# KiCad board ciaa_acc.kicad_pcb (continued)
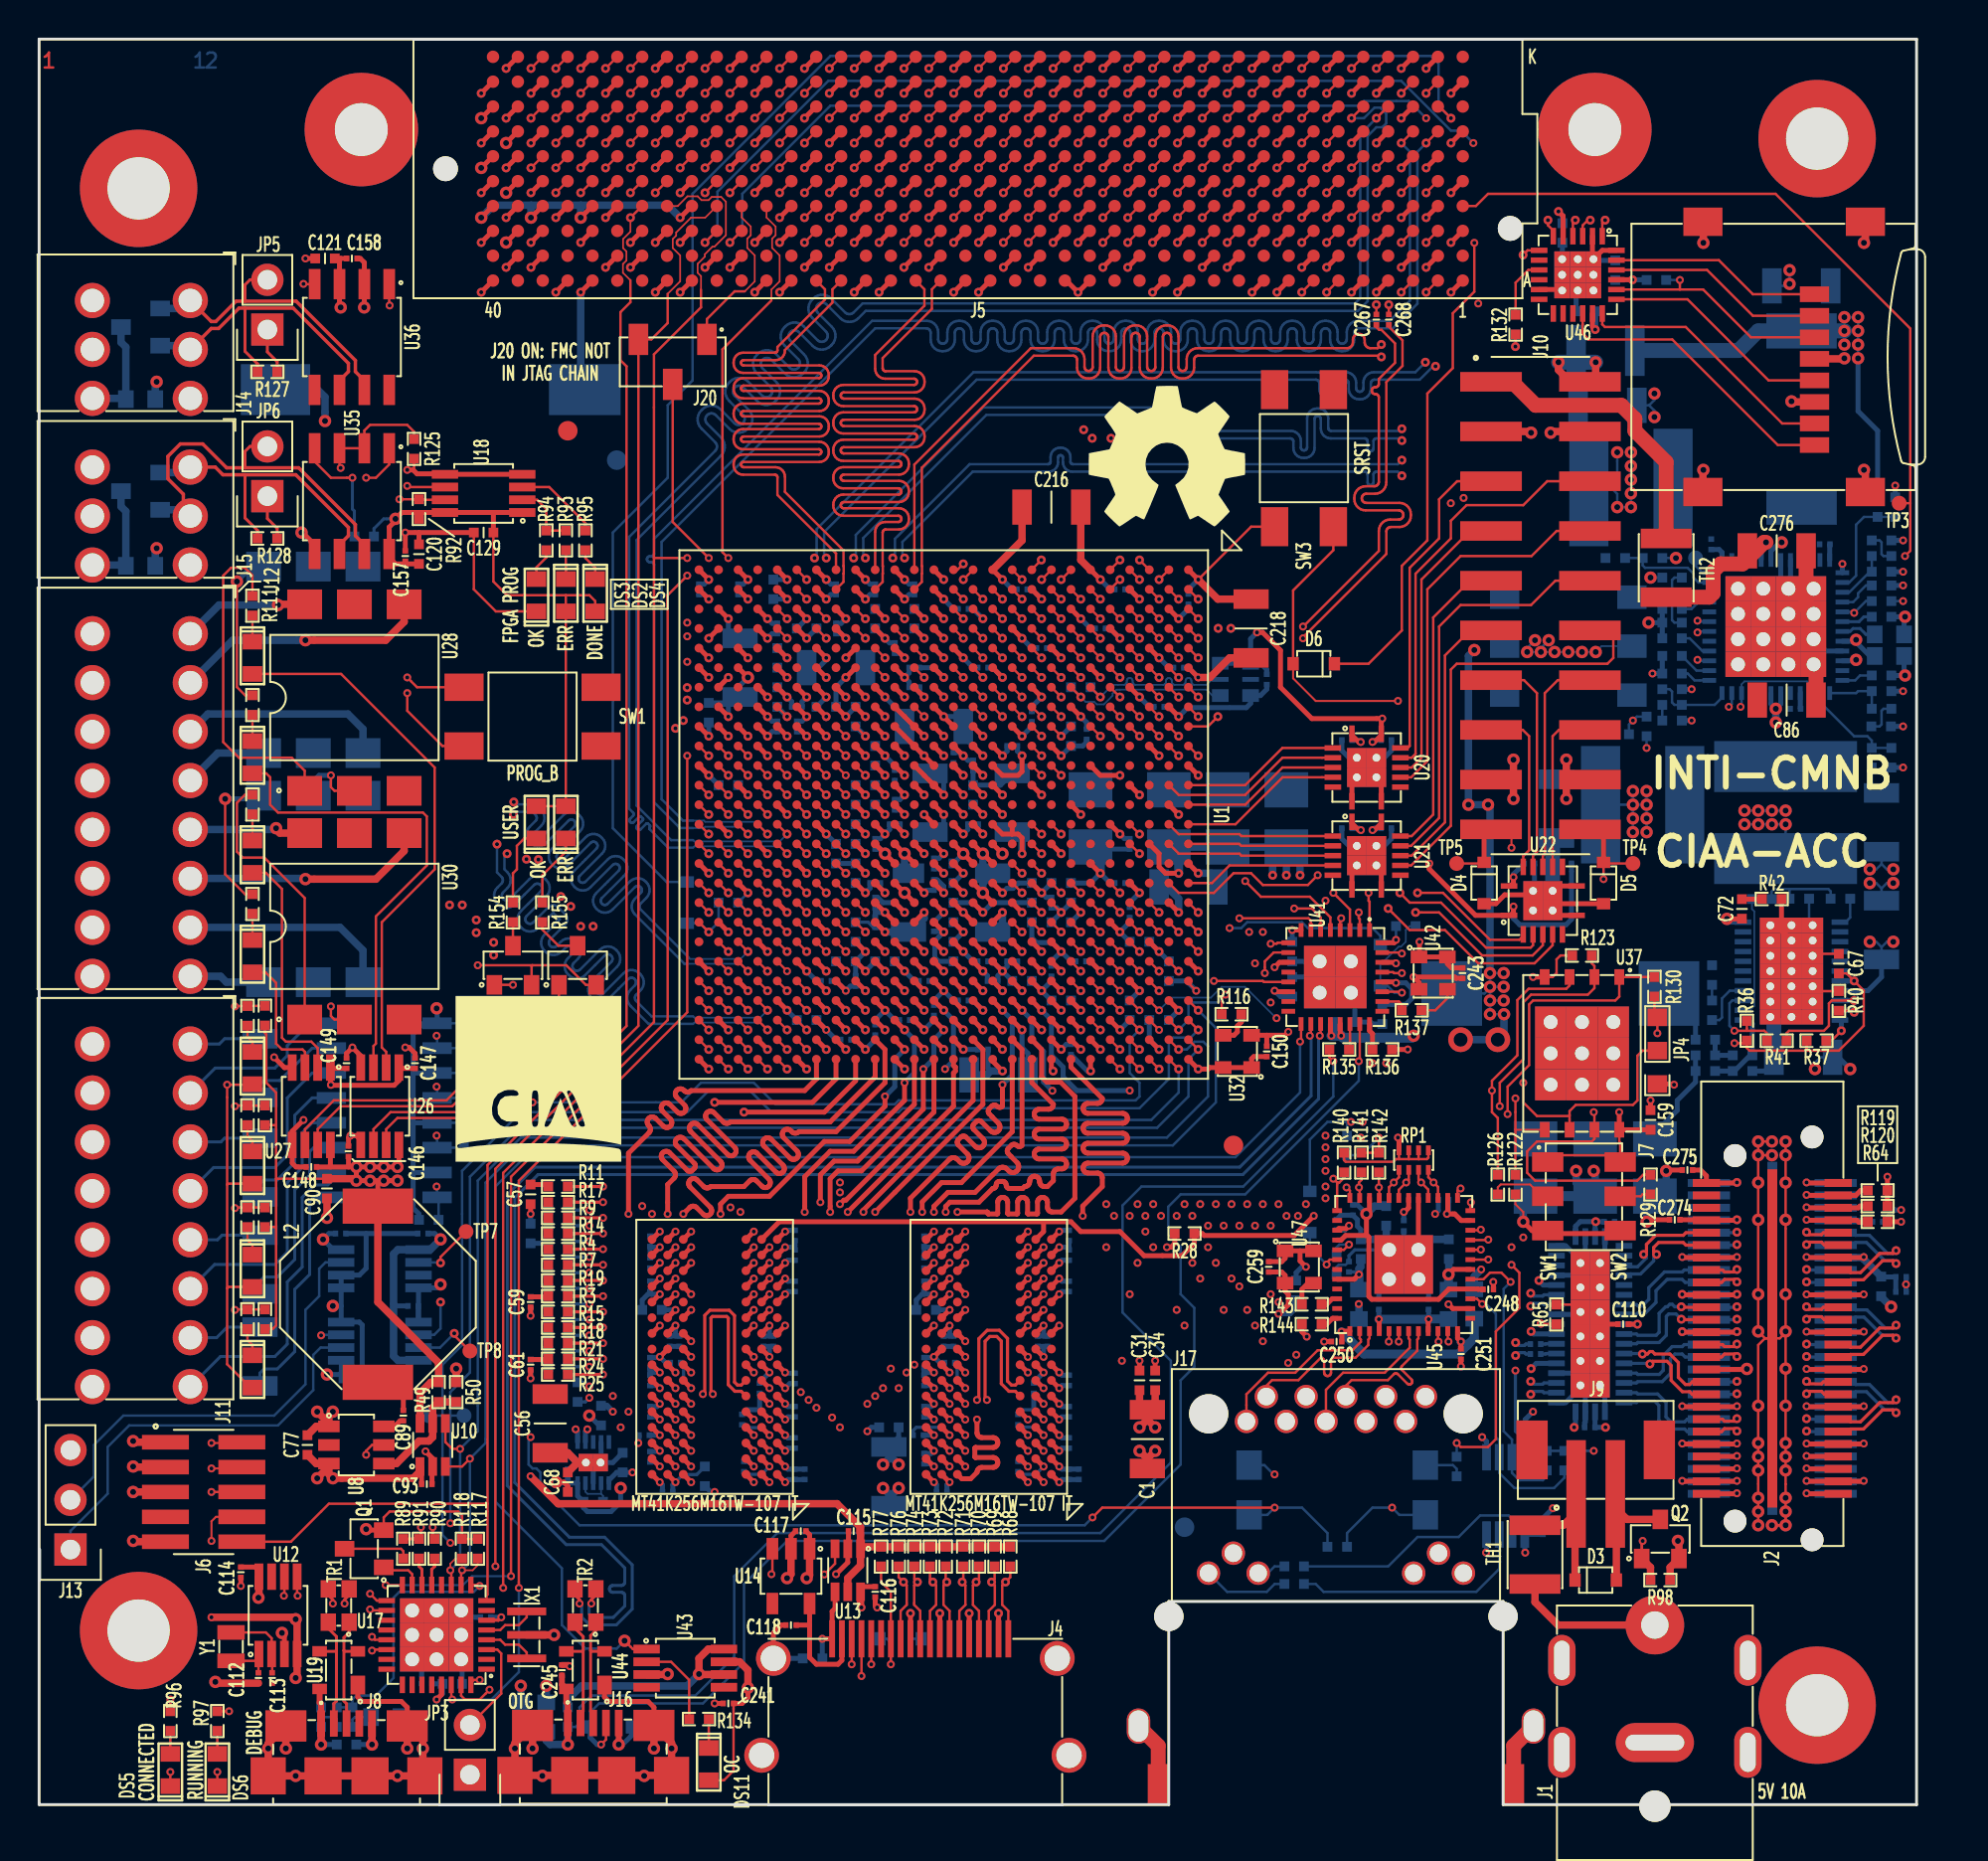
[diagram p0: board, top side]
## Routing (per net, layer and track width the routed paths; a pad name or vN(x,y) marks a point on that pad's centre or on a via; arc(x,y) is an arc through that point) (continued)
  TOP_L1.Sig w0.127: U46.7 76.03,79.38 v2(75.79,79.15) ; U1.D18 v2(56.2,45.57)
  L3.Sig w0.107: v2(56.2,45.57) 57.2,46.57 59.7,46.57 60.2,47.07 60.2,49.57 68.3,57.67 68.3,64.77 70.9,67.37 70.9,69.77 73.9,72.77 73.9,77.26 v2(75.79,79.15)
/Principal/BANK_501/SDIO_D2: length 53.1
  TOP_L1.Sig w0.127: U46.1 79.83,80.78 v2(79.98,80.93) ; U1.E18 v2(55.2,45.57)
  L3.Sig w0.107: v1(73.5,76.67) 73.5,72.77 70.6,69.87 70.6,67.57 68,64.97 68,57.77 59.9,49.67 59.9,47.27 59.7,47.07 55.9,47.07 55.7,46.87 55.7,46.07 v2(55.2,45.57)
  L5.Sig w0.107: v1(73.5,76.67) 79.8,76.67 79.98,76.85 v2(79.98,80.93)
/Principal/BANK_501/SDIO_D3: length 48.5
  TOP_L1.Sig w0.127: U1.C18 v2(57.2,45.57) ; v2(79.22,80.93) 79.1,80.93 78.83,80.66 U46.3
  L3.Sig w0.107: v2(57.2,45.57) 57.7,46.07 59.7,46.07 60.5,46.87 60.5,49.47 68.6,57.57 68.6,64.67 71.2,67.27 71.2,69.67 74.3,72.77 74.3,76.87 76.5,79.07 76.5,79.54 78.27,81.31 78.84,81.31 v2(79.22,80.93)
/Principal/BANK_501/SPI_CLK: length 22.9
  TOP_L1.Sig w0.127: v2(70.3,45.57) 71.5,45.57 73.7,43.37 76.28,43.37 76.8,43.89 U22.4 ; U1.B21 v2(58.2,42.57)
  L5.Sig w0.107: v2(70.3,45.57) 69.3,44.57 64.8,44.57 64,45.37 62.07,45.37 59.65,42.95 58.58,42.95 v2(58.2,42.57)
/Principal/BANK_501/SPI_CS: length 22
  TOP_L1.Sig w0.127: U1.A18 v2(59.2,45.57) ; U22.5 77.3,43.89 76.38,42.97 73.5,42.97 71.8,44.67 70,44.67 v2(68.9,45.77)
  L5.Sig w0.107: v2(68.9,45.77) 68.6,46.07 66.6,46.07 66.2,45.67 65.4,45.67 64.5,46.57 60.2,46.57 v2(59.2,45.57)
/Principal/BANK_501/SPI_MISO: length 21.3
  TOP_L1.Sig w0.127: U22.2 75.8,44.37 75.6,44.17 74.1,44.17 71.7,46.57 v2(70.4,46.57) ; U1.B19 v2(58.2,44.57)
  L5.Sig w0.107: v2(58.2,44.57) 58.7,45.07 60.5,45.07 61.56,46.13 64.34,46.13 65.56,44.91 68.74,44.91 v2(70.4,46.57)
/Principal/BANK_501/SPI_MOSI: length 24.5
  TOP_L1.Sig w0.127: v2(69.5,46.57) 70,46.07 71.6,46.07 73.9,43.77 76.18,43.77 76.3,43.89 U22.3 ; U1.E17 v2(55.2,46.57)
  L5.Sig w0.107: v2(69.5,46.57) 69.14,46.93 62.74,46.93 62,47.67 61.3,47.67 60.7,47.07 55.7,47.07 v2(55.2,46.57)
/Principal/BANK_501/USB_B_N: length 6.3
  TOP_L1.Sig w0.152: 27.78,7.87 27.74,7.83 U44.3 ; 27.78,7.87 27.78,8.59 27.37,9 TR2.4 ; 27.78,7.87 27.78,4.78 27.65,4.64 J16.2
/Principal/BANK_501/USB_B_P: length 6
  TOP_L1.Sig w0.152: 28.17,7.87 28.21,7.83 U44.2 ; 28.17,7.87 28.17,8.64 28.43,8.9 TR2.1 ; 28.17,7.87 28.17,4.78 28.3,4.64 J16.3
/Principal/BANK_501/USB_CLK: length 21.6
  TOP_L1.Sig w0.127: U41.1 67.95,46.12 67.9,46.17 v1(67.9,46.57) ; U1.K16 v2(50.2,47.57)
  L8.Sig w0.107: v2(50.2,47.57) 50.7,48.07 56.9,48.07 57.78,47.19 59.62,47.19 60.1,47.67 61.8,47.67 62.5,46.97 67.5,46.97 v1(67.9,46.57)
/Principal/BANK_501/USB_D0: length 19.2
  TOP_L1.Sig w0.127: U41.3 66.95,45.72 v1(66.1,46.57) ; U1.K17 v2(50.2,46.57)
  L8.Sig w0.107: v2(50.2,46.57) 50.6,46.97 56.5,46.97 56.9,46.57 v1(66.1,46.57)
/Principal/BANK_501/USB_D1: length 15.8
  TOP_L1.Sig w0.127: v1(66.5,45.27) 66.45,45.22 U41.4 ; U1.E22 v1(55.2,41.57)
  L8.Sig w0.107: v1(62.9,40.97) 60.3,40.97 60.1,41.17 59.6,41.17 ; 59.6,41.17 59.7,41.17 ; 59.6,41.17 55.6,41.17 v1(55.2,41.57)
  L10.Sig w0.107: v1(62.9,40.97) 63.19,40.97 63.7,41.48 63.7,43.27 64.8,44.37 65.6,44.37 v1(66.5,45.27)
/Principal/BANK_501/USB_D2: length 17.3
  TOP_L1.Sig w0.127: U41.5 65.95,45.32 64.9,46.37 62.4,46.37 v1(61.6,47.17) ; U1.J16 v2(51.2,47.57)
  L8.Sig w0.107: v2(51.2,47.57) 51.59,47.18 51.6,47.19 57.08,47.19 57.4,46.87 60.3,46.87 60.62,47.19 61.58,47.19 v1(61.6,47.17)
/Principal/BANK_501/USB_D3: length 11.6
  TOP_L1.Sig w0.127: U1.D19 v2(56.2,44.57) ; v1(64.1,45.77) 65,45.77 65.45,45.32 U41.6
  L8.Sig w0.107: v1(64.1,45.77) 62.4,45.77 60.82,44.19 56.58,44.19 v2(56.2,44.57)
/Principal/BANK_501/USB_D4: length 15.4
  TOP_L1.Sig w0.127: U41.7 64.95,45.15 64.83,45.27 v1(61.3,45.27) ; U1.J18 v2(51.2,45.57)
  L8.Sig w0.107: v2(51.2,45.57) 51.58,45.95 60.62,45.95 v1(61.3,45.27)
/Principal/BANK_501/USB_D5: length 8.5
  TOP_L1.Sig w0.127: v1(62.9,43.97) 63.2,43.97 63.25,44.02 U41.9 ; U1.D20 v2(56.2,43.57)
  L8.Sig w0.107: 62.88,43.95 56.58,43.95 v2(56.2,43.57)
  L8.Sig w0.127: 62.88,43.95 v1(62.9,43.97)
/Principal/BANK_501/USB_D6: length 9.8
  TOP_L1.Sig w0.127: U41.10 63.05,43.52 62.6,43.07 v1(62.6,42.47) ; U1.D21 v2(56.2,42.57)
  L8.Sig w0.107: v1(62.6,42.47) 61.9,41.77 60.4,41.77 60.3,41.67 59.5,41.67 59.21,41.96 56.81,41.96 v2(56.2,42.57)
/Principal/BANK_501/USB_D7: length 7.5
  TOP_L1.Sig w0.127: v1(60,42.07) 62.5,42.07 62.55,42.02 U41.13 ; U1.C21 v2(57.2,42.57)
  L8.Sig w0.107: v1(60,42.07) 59.9,42.17 57.6,42.17 v2(57.2,42.57)
/Principal/BANK_501/USB_DIR: length 16.9
  TOP_L1.Sig w0.127: U1.E20 v2(55.2,43.57) ; v1(69.6,43.47) 69.55,43.52 U41.31
  L8.Sig w0.107: v1(69.6,43.47) 68.65,43.47 68.1,44.02 64.45,44.02 64,43.57 59.98,43.57 59.6,43.19 55.58,43.19 v2(55.2,43.57)
/Principal/BANK_501/USB_ID: length 70.5
  TOP_L1.Sig w0.127: J16.4 28.95,3.32 v1(28.7,3.07) ; U41.23 67.45,38.02 v1(67.4,37.97)
  BOT_L12.Sig w0.127: D8.2 28.15,4.72 28.6,5.17 33.9,5.17 36,7.27 36,11.27 38.2,13.47 54.4,13.47 58.3,17.37 58.3,21.67 59,22.37 59,25.37 58.3,26.07 58.3,28.37 ; 58.3,28.37 58.3,28.47 57.67,29.1 57.67,30.54 58.3,31.17 61.6,31.17 67.4,36.97 v1(67.4,37.97) ; 58.3,28.37 58.3,28.17
  BOT_L12.Sig w0.254: D8.2 28.15,3.42 28.5,3.07 v1(28.7,3.07)
/Principal/BANK_501/USB_N: length 76.2
  TOP_L1.Sig w0.127: U41.19 65.45,39.31 v1(65.41,39.27)
  TOP_L1.Sig w0.152: v1(27.6,10.27) 27.6,10.47 27.37,10.7 TR2.3
  BOT_L12.Sig w0.152: v1(27.6,10.27) 27.71,10.16 27.71,9.58 28.11,9.18 29.48,9.18 30.29,9.99 30.29,12.25 28.88,13.66 27.08,13.66 24.29,16.45 24.29,30.99 25.48,32.18 61.48,32.18 65.34,36.05 65.34,39.21 v1(65.41,39.27)
/Principal/BANK_501/USB_NXT: length 15.3
  TOP_L1.Sig w0.127: U41.2 67.45,45.22 67.4,45.27 v1(67.4,45.57) ; U1.E21 v2(55.2,42.57)
  L8.Sig w0.107: v1(62.1,42.97) 59.61,42.97 59.6,42.98 ; 59.6,42.98 59.69,42.98 ; 59.6,42.98 55.61,42.98 v2(55.2,42.57)
  L10.Sig w0.107: v1(62.1,42.97) 62.5,43.37 63.3,43.37 65.6,45.67 67.3,45.67 v1(67.4,45.57)
/Principal/BANK_501/USB_P: length 76.2
  TOP_L1.Sig w0.127: v1(64.9,39.27) 64.95,39.32 U41.18
  TOP_L1.Sig w0.152: TR2.2 28.43,10.7 28.2,10.47 v1(28.2,10.27)
  BOT_L12.Sig w0.152: v1(64.9,39.27) 64.96,39.21 64.96,36.2 61.32,32.56 25.32,32.56 23.91,31.15 23.91,16.29 26.92,13.28 28.72,13.28 29.91,12.09 29.91,11.37 29.91,11.33 29.89,11.29 29.87,11.26 29.84,11.23 29.81,11.21 29.77,11.2 29.73,11.2 29.3,11.2 29.26,11.19 29.23,11.18 29.19,11.16 29.17,11.13 29.15,11.1 29.13,11.06 29.13,11.02 29.13,10.98 29.15,10.94 29.17,10.91 29.19,10.88 29.23,10.86 29.26,10.85 29.3,10.84 29.73,10.84 29.77,10.84 29.81,10.83 29.84,10.81 29.87,10.78 29.89,10.75 29.91,10.71 29.91,10.67 29.91,10.15 29.32,9.56 28.27,9.56 28.09,9.74 28.09,10.16 v1(28.2,10.27)
/Principal/BANK_501/USB_STP: length 25.1
  TOP_L1.Sig w0.127: U41.29 69.15,42.52 69.2,42.47 v1(69.6,42.47) ; U1.K19 v2(50.2,44.57)
  L8.Sig w0.107: v2(50.2,44.57) 50.7,45.07 50.7,45.77 51.1,46.17 v1(65.7,46.17)
  L10.Sig w0.107: v1(69.6,42.47) 69,42.47 68.6,42.87 68.6,45.27 67.7,46.17 v1(65.7,46.17)
/Principal/BANK_502/DDR_A0: length 79.6
  TOP_L1.Sig w0.165: R3.2 v1(28.8,25.97)
  TOP_L1.Sig w0.254: U3.N3 v1(36.5,26.87) ; U1.K22 v2(50.2,41.57) ; U2.N3 v1(50.5,26.87)
  L3.Sig w0.165: v1(50.5,26.87) 50.5,26.47 51.1,26.47 ; 36.5,26.47 51.1,26.47 ; 36.5,26.47 29.9,26.47 29.4,25.97 v1(28.8,25.97) ; 36.5,26.47 v1(36.5,26.87) ; 51.1,26.47 v1(61.3,26.47)
  L8.Sig w0.165: v2(50.2,41.57) 50.7,41.07 50.7,37.37 51.2,36.87 61.8,36.87 62.1,36.57 62.1,36.47 62.09,36.43 62.08,36.38 62.06,36.35 62.02,36.31 61.99,36.29 61.94,36.28 61.9,36.27 61.33,36.27 61.29,36.26 61.25,36.25 61.21,36.23 61.18,36.19 61.15,36.16 61.14,36.11 61.13,36.07 61.14,36.03 61.15,35.98 61.18,35.95 61.21,35.91 61.25,35.89 61.29,35.88 61.33,35.87 62.92,35.87 62.96,35.86 63,35.85 63.04,35.83 63.07,35.79 63.1,35.76 63.11,35.71 63.12,35.67 63.11,35.63 63.1,35.58 63.07,35.55 63.04,35.51 63,35.49 62.96,35.48 62.92,35.47 61.43,35.47 61.39,35.46 61.35,35.45 61.31,35.43 61.28,35.39 61.25,35.36 61.24,35.31 61.23,35.27 61.24,35.23 61.25,35.18 61.28,35.15 61.31,35.11 61.35,35.09 61.39,35.08 61.43,35.07 62.92,35.07 62.96,35.06 63,35.05 63.04,35.03 63.07,34.99 63.1,34.96 63.11,34.91 63.12,34.87 63.11,34.83 63.1,34.78 63.07,34.75 63.04,34.71 63,34.69 62.96,34.68 62.92,34.67 61.43,34.67 61.39,34.66 61.35,34.65 61.31,34.63 61.28,34.59 61.25,34.56 61.24,34.51 61.23,34.47 61.24,34.43 61.25,34.38 61.28,34.35 61.31,34.31 61.35,34.29 61.39,34.28 61.43,34.27 62.92,34.27 62.96,34.26 63,34.25 63.04,34.23 63.07,34.19 63.1,34.16 63.11,34.11 63.12,34.07 63.11,34.03 63.1,33.98 63.07,33.95 63.04,33.91 63,33.89 62.96,33.88 62.92,33.87 61.43,33.87 61.39,33.86 61.35,33.85 61.31,33.83 61.28,33.79 61.25,33.76 61.24,33.71 61.23,33.67 61.24,33.63 61.25,33.58 61.28,33.55 61.31,33.51 61.35,33.49 61.39,33.48 61.43,33.47 62.92,33.47 62.96,33.46 63,33.45 63.04,33.43 63.07,33.39 63.1,33.36 63.11,33.31 63.12,33.27 63.11,33.23 63.1,33.18 63.07,33.15 63.04,33.11 63,33.09 62.96,33.08 62.92,33.07 61.43,33.07 61.39,33.06 61.35,33.05 61.31,33.03 61.28,32.99 61.25,32.96 61.24,32.91 61.23,32.87 61.24,32.83 61.25,32.78 61.28,32.75 61.31,32.71 61.35,32.69 61.39,32.68 61.43,32.67 61.9,32.67 61.94,32.66 61.99,32.65 62.02,32.63 62.06,32.59 62.08,32.56 62.09,32.51 62.1,32.47 62.1,31.67 61.3,30.87 v1(61.3,29.57)
  L10.Sig w0.165: v1(61.3,29.57) v1(61.3,26.47)
/Principal/BANK_502/DDR_A1: length 76.3
  TOP_L1.Sig w0.165: R4.2 v1(28.8,28.37)
  TOP_L1.Sig w0.254: U3.P7 v1(33.3,27.67) ; U2.P7 v1(47.3,27.67) ; U1.K20 v2(50.2,43.57)
  L3.Sig w0.165: v1(28.8,28.37) 29.1,28.07 33.3,28.07 ; 47.9,28.07 47.3,28.07 v1(47.3,27.67) ; 47.9,28.07 56.5,28.07 v1(56.9,28.47) ; 47.9,28.07 33.3,28.07 ; 33.3,28.07 v1(33.3,27.67) ; v1(56.9,30.67) 56.9,31.47 57.5,32.07 59.1,32.07 59.3,32.27 59.3,33.6 59.3,33.61 59.29,33.63 59.28,33.64 59.27,33.65 59.26,33.66 59.24,33.67 59.21,33.67 59.19,33.68 59.18,33.69 59.17,33.7 59.16,33.71 59.15,33.73 59.15,33.74 59.15,34 59.15,34.01 59.16,34.03 59.17,34.04 59.18,34.05 59.19,34.06 59.21,34.07 59.23,34.07 60.2,34.07 60.24,34.08 60.29,34.09 60.32,34.11 60.35,34.15 60.38,34.18 60.39,34.23 60.4,34.27 60.39,34.31 60.38,34.36 60.35,34.39 60.32,34.43 60.29,34.45 60.24,34.46 60.2,34.47 59.3,34.47 59.1,34.47 59.06,34.48 59.01,34.49 58.98,34.51 58.94,34.55 58.92,34.58 58.91,34.63 58.9,34.67 58.91,34.72 58.92,34.76 58.94,34.8 58.98,34.83 59.01,34.85 59.06,34.87 59.15,34.88 59.19,34.89 59.22,34.91 59.26,34.95 59.28,34.98 59.3,35.03 59.3,35.07 59.1,35.27 58.5,35.27 58.46,35.26 58.41,35.25 58.38,35.23 58.34,35.19 58.32,35.16 58.31,35.11 58.3,35.07 58.3,34.37 58.29,34.33 58.28,34.28 58.26,34.25 58.22,34.22 58.19,34.19 58.14,34.18 58.1,34.17 58.06,34.18 58.01,34.19 57.98,34.22 57.94,34.25 57.92,34.28 57.91,34.33 57.9,34.37 57.9,35.57 57.89,35.61 57.88,35.66 57.86,35.69 57.82,35.72 57.79,35.75 57.74,35.76 57.7,35.77 57.66,35.76 57.61,35.75 57.58,35.72 57.54,35.69 57.52,35.66 57.51,35.61 57.5,35.57 57.5,34.37 57.49,34.33 57.48,34.28 57.46,34.25 57.42,34.22 57.39,34.19 57.34,34.18 57.3,34.17 57.26,34.18 57.21,34.19 57.18,34.22 57.14,34.25 57.12,34.28 57.11,34.33 57.1,34.37 57.1,35.57 57.09,35.61 57.08,35.66 57.06,35.69 57.02,35.72 56.99,35.75 56.94,35.76 56.9,35.77 56.86,35.76 56.81,35.75 56.78,35.72 56.74,35.69 56.72,35.66 56.71,35.61 56.7,35.57 56.7,34.92 56.69,34.88 56.68,34.83 56.66,34.8 56.62,34.77 56.59,34.74 56.54,34.73 56.5,34.72 56.46,34.73 56.41,34.74 56.38,34.77 56.34,34.8 56.32,34.83 56.31,34.88 56.3,34.92 56.3,35.57 56.29,35.61 56.28,35.66 56.26,35.69 56.22,35.72 56.19,35.75 56.14,35.76 56.1,35.77 56.06,35.76 56.01,35.75 55.98,35.72 55.94,35.69 55.92,35.66 55.91,35.61 55.9,35.57 55.9,34.97 55.89,34.93 55.88,34.88 55.86,34.85 55.82,34.82 55.79,34.79 55.74,34.78 55.7,34.77 55.66,34.78 55.61,34.79 55.58,34.82 55.54,34.85 55.52,34.88 55.51,34.93 55.5,34.97 55.5,35.57 55.49,35.61 55.48,35.66 55.46,35.69 55.42,35.72 55.39,35.75 55.34,35.76 55.3,35.77 55.26,35.76 55.21,35.75 55.18,35.72 55.14,35.69 55.12,35.66 55.11,35.61 55.1,35.57 55.1,35.47 55.09,35.43 55.08,35.38 55.06,35.35 55.02,35.31 54.99,35.29 54.94,35.28 54.9,35.27 54.86,35.28 54.81,35.29 54.78,35.31 54.74,35.35 54.72,35.38 54.71,35.43 54.7,35.47 54.7,35.57 54.69,35.61 54.68,35.66 54.66,35.69 54.62,35.72 54.59,35.75 54.54,35.76 54.5,35.77 54.46,35.76 54.41,35.75 54.38,35.72 54.34,35.69 54.32,35.66 54.31,35.61 54.3,35.57 54.3,35.47 54.29,35.43 54.28,35.38 54.26,35.35 54.22,35.31 54.19,35.29 54.14,35.28 54.1,35.27 54.06,35.28 54.01,35.29 53.98,35.31 53.94,35.35 53.92,35.38 53.91,35.43 53.9,35.47 53.9,35.57 53.89,35.61 53.88,35.66 53.86,35.69 53.82,35.72 53.79,35.75 53.74,35.76 53.7,35.77 53.66,35.76 53.61,35.75 53.58,35.72 53.54,35.69 53.52,35.66 53.51,35.61 53.5,35.57 53.5,35.47 53.49,35.43 53.48,35.38 53.46,35.35 53.42,35.31 53.39,35.29 53.34,35.28 53.3,35.27 53.26,35.28 53.21,35.29 53.18,35.31 53.14,35.35 53.12,35.38 53.11,35.43 53.1,35.47 53.1,35.57 53.09,35.61 53.08,35.66 53.06,35.69 53.02,35.72 52.99,35.75 52.94,35.76 52.9,35.77 52.86,35.76 52.81,35.75 52.78,35.72 52.74,35.69 52.72,35.66 52.71,35.61 52.7,35.57 52.7,35.47 52.69,35.43 52.68,35.38 52.66,35.35 52.62,35.31 52.59,35.29 52.54,35.28 52.5,35.27 52.46,35.28 52.41,35.29 52.38,35.31 52.34,35.35 52.32,35.38 52.31,35.43 52.3,35.47 52.3,35.57 52.29,35.61 52.28,35.66 52.26,35.69 52.22,35.72 52.19,35.75 52.14,35.76 52.1,35.77 52.06,35.76 52.01,35.75 51.98,35.72 51.94,35.69 51.92,35.66 51.91,35.61 51.9,35.57 51.9,35.47 51.89,35.43 51.88,35.38 51.86,35.35 51.82,35.31 51.79,35.29 51.74,35.28 51.7,35.27 51.66,35.28 51.61,35.29 51.58,35.31 51.54,35.35 51.52,35.38 51.51,35.43 51.5,35.47 51.5,35.57 51.49,35.61 51.48,35.66 51.46,35.69 51.42,35.72 51.39,35.75 51.34,35.76 51.3,35.77 51.26,35.76 51.21,35.75 51.18,35.72 51.14,35.69 51.12,35.66 51.11,35.61 51.1,35.57 51.1,35.47 51.09,35.43 51.08,35.38 51.06,35.35 51.02,35.31 50.99,35.29 50.94,35.28 50.9,35.27 50.86,35.28 50.81,35.29 50.78,35.31 50.74,35.35 50.72,35.38 50.71,35.43 50.7,35.47 50.7,35.97 50.69,36.01 50.68,36.06 50.66,36.09 50.62,36.12 50.59,36.15 50.54,36.16 50.5,36.17 50.46,36.16 50.41,36.15 50.38,36.12 50.34,36.09 50.32,36.06 50.31,36.01 50.3,35.97 50.3,35.47 50.29,35.43 50.28,35.38 50.26,35.35 50.22,35.31 50.19,35.29 50.14,35.28 50.1,35.27 49.7,35.67 49.7,43.07 v2(50.2,43.57)
  L10.Sig w0.165: v1(56.9,30.67) v1(56.9,28.47)
/Principal/BANK_502/DDR_A2: length 79.5
  TOP_L1.Sig w0.254: U3.P3 v1(36.5,27.67) ; U1.N21 v2(47.2,42.57) ; U2.P3 v1(50.5,27.67)
  L5.Sig w0.165: 50.9,28.07 50.5,28.07 v1(50.5,27.67) ; 50.9,28.07 36.5,28.07 ; 50.9,28.07 59.3,28.07 v1(59.7,28.47) ; v1(36.5,27.67) 36.5,28.07 ; 36.5,28.07 29.8,28.07 29.1,28.77 v1(28.1,28.77)
  L8.Sig w0.165: v1(59.7,29.57) 59.7,33.37 59.4,33.67 55.8,33.67 55.76,33.66 55.71,33.65 55.68,33.63 55.64,33.59 55.62,33.56 55.61,33.51 55.6,33.47 55.6,33.41 55.59,33.37 55.58,33.33 55.56,33.29 55.52,33.26 55.49,33.23 55.44,33.22 55.4,33.21 55.36,33.22 55.31,33.23 55.28,33.26 55.24,33.29 55.22,33.33 55.21,33.37 55.2,33.41 55.2,33.93 55.19,33.97 55.18,34.01 55.16,34.05 55.12,34.08 55.09,34.11 55.04,34.12 55,34.13 54.96,34.12 54.91,34.11 54.88,34.08 54.84,34.05 54.82,34.01 54.81,33.97 54.8,33.93 54.8,33.41 54.79,33.37 54.78,33.33 54.76,33.29 54.72,33.26 54.69,33.23 54.64,33.22 54.6,33.21 54.56,33.22 54.51,33.23 54.48,33.26 54.44,33.29 54.42,33.33 54.41,33.37 54.4,33.41 54.4,33.47 54.39,33.51 54.38,33.56 54.36,33.59 54.32,33.63 54.29,33.65 54.24,33.66 54.2,33.67 52.5,33.67 52.4,33.57 51.75,33.57 51.71,33.57 51.67,33.59 51.64,33.61 51.61,33.64 51.59,33.67 51.58,33.71 51.58,33.75 51.58,34 51.57,34.03 51.56,34.07 51.54,34.1 51.51,34.13 51.48,34.15 51.44,34.17 51.4,34.17 51.36,34.17 51.32,34.15 51.29,34.13 51.26,34.1 51.24,34.07 51.23,34.03 51.22,34 51.22,33.75 51.22,33.71 51.21,33.67 51.19,33.64 51.16,33.61 51.13,33.59 51.09,33.57 51.05,33.57 51.01,33.57 50.97,33.59 50.94,33.61 50.91,33.64 50.89,33.67 50.88,33.71 50.88,33.75 50.88,34 50.87,34.03 50.86,34.07 50.84,34.1 50.81,34.13 50.78,34.15 50.74,34.17 50.7,34.17 50.66,34.17 50.62,34.15 50.59,34.13 50.56,34.1 50.54,34.07 50.53,34.03 50.53,34 50.53,33.75 50.52,33.71 50.51,33.67 50.49,33.64 50.46,33.61 50.43,33.59 50.39,33.57 50.35,33.57 50.31,33.57 50.27,33.59 50.24,33.61 50.21,33.64 50.19,33.67 50.18,33.71 50.17,33.75 50.17,34 50.17,34.03 50.16,34.07 50.14,34.1 50.11,34.13 50.08,34.15 50.04,34.17 50,34.17 49.96,34.17 49.92,34.15 49.89,34.13 49.86,34.1 49.84,34.07 49.83,34.03 49.83,34 49.83,33.75 49.82,33.71 49.81,33.67 49.79,33.64 49.76,33.61 49.73,33.59 49.69,33.57 49.65,33.57 49.61,33.57 49.57,33.59 49.54,33.61 49.51,33.64 49.49,33.67 49.48,33.71 49.47,33.75 49.47,34 49.47,34.03 49.46,34.07 49.44,34.1 49.41,34.13 49.38,34.15 49.34,34.17 49.3,34.17 49.26,34.17 49.22,34.15 49.19,34.13 49.16,34.1 49.14,34.07 49.13,34.03 49.12,34 49.12,33.34 49.12,33.31 49.11,33.27 49.09,33.24 49.06,33.21 49.03,33.19 48.99,33.17 48.95,33.17 48.91,33.17 48.87,33.19 48.84,33.21 48.81,33.24 48.79,33.27 48.78,33.31 48.78,33.34 48.78,34 48.77,34.03 48.76,34.07 48.74,34.1 48.71,34.13 48.68,34.15 48.64,34.17 48.6,34.17 48.56,34.17 48.52,34.15 48.49,34.13 48.46,34.1 48.44,34.07 48.43,34.03 48.42,34 48.42,33.34 48.42,33.31 48.41,33.27 48.39,33.24 48.36,33.21 48.33,33.19 48.29,33.17 48.25,33.17 48.21,33.17 48.17,33.19 48.14,33.21 48.11,33.24 48.09,33.27 48.08,33.31 48.08,33.34 48.08,34.05 48.07,34.08 48.06,34.12 48.04,34.15 48.01,34.18 47.98,34.2 47.94,34.22 47.9,34.22 47.86,34.22 47.82,34.2 47.79,34.18 47.76,34.15 47.74,34.12 47.73,34.08 47.72,34.05 47.72,33.34 47.72,33.31 47.71,33.27 47.69,33.24 47.66,33.21 47.63,33.19 47.59,33.17 47.55,33.17 47.51,33.17 47.47,33.19 47.44,33.21 47.41,33.24 47.39,33.27 47.38,33.31 47.38,33.34 47.38,33.39 47.37,33.43 47.36,33.47 47.34,33.5 47.31,33.53 47.28,33.55 47.24,33.57 47.2,33.57 46.7,34.07 46.7,34.5 46.7,34.53 46.72,34.57 46.74,34.6 46.77,34.63 46.8,34.65 46.84,34.67 46.88,34.67 47.22,34.67 47.26,34.67 47.3,34.69 47.33,34.71 47.36,34.74 47.38,34.77 47.4,34.81 47.4,34.84 47.4,34.88 47.38,34.92 47.36,34.95 47.33,34.98 47.3,35 47.26,35.02 47.22,35.02 46.88,35.02 46.84,35.02 46.8,35.04 46.77,35.06 46.74,35.09 46.72,35.12 46.7,35.16 46.7,35.2 46.7,35.23 46.72,35.27 46.74,35.3 46.77,35.33 46.8,35.35 46.84,35.37 46.88,35.37 47.22,35.37 47.26,35.37 47.3,35.39 47.33,35.41 47.36,35.44 47.38,35.47 47.4,35.51 47.4,35.55 47.4,35.58 47.38,35.62 47.36,35.65 47.33,35.68 47.3,35.7 47.26,35.72 47.22,35.72 46.65,35.72 46.64,35.72 46.63,35.72 46.62,35.73 46.61,35.74 46.6,35.75 46.6,35.76 46.6,35.77 46.6,36.02 46.6,36.03 46.6,36.04 46.61,36.05 46.62,36.06 46.63,36.07 46.64,36.07 46.66,36.07 46.67,36.07 46.68,36.08 46.69,36.09 46.7,36.1 46.7,36.11 46.7,36.16 46.72,36.2 46.74,36.23 46.77,36.26 46.8,36.28 46.84,36.29 46.88,36.3 47.22,36.3 47.26,36.3 47.3,36.31 47.33,36.33 47.36,36.36 47.38,36.39 47.4,36.43 47.4,36.47 47.4,36.51 47.38,36.55 47.36,36.58 47.33,36.61 47.3,36.63 47.26,36.64 47.22,36.64 46.58,36.64 46.55,36.65 46.52,36.66 46.5,36.67 46.48,36.69 46.46,36.72 46.45,36.74 46.45,36.77 46.45,36.87 46.45,36.9 46.46,36.92 46.48,36.95 46.5,36.97 46.52,36.98 46.55,36.99 46.58,37 47.22,37 47.26,37 47.3,37.01 47.33,37.03 47.36,37.06 47.38,37.09 47.4,37.13 47.4,37.17 47.4,37.21 47.38,37.25 47.36,37.28 47.33,37.31 47.3,37.33 47.26,37.34 47.22,37.34 46.88,37.34 46.84,37.35 46.8,37.36 46.77,37.38 46.74,37.41 46.72,37.44 46.7,37.48 46.7,37.52 46.7,37.56 46.72,37.6 46.74,37.63 46.77,37.66 46.8,37.68 46.84,37.69 46.88,37.7 47.22,37.7 47.26,37.7 47.3,37.71 47.33,37.73 47.36,37.76 47.38,37.79 47.4,37.83 47.4,37.87 47.4,37.91 47.38,37.95 47.36,37.98 47.33,38.01 47.3,38.03 47.26,38.04 47.22,38.05 46.62,38.05 46.61,38.05 46.59,38.05 46.58,38.06 46.57,38.07 46.56,38.09 46.55,38.1 46.55,38.12 46.55,38.32 46.55,38.34 46.56,38.35 46.57,38.37 46.58,38.38 46.59,38.39 46.61,38.39 46.64,38.4 46.66,38.4 46.67,38.41 46.68,38.42 46.69,38.44 46.7,38.45 46.7,38.47 46.7,42.07 v2(47.2,42.57)
  L10.Sig w0.165: v1(59.7,29.57) v1(59.7,28.47)
  BOT_L12.Sig w0.165: R5.2 v1(28.1,28.77)
/Principal/BANK_502/DDR_A3: length 80.4
  TOP_L1.Sig w0.254: U3.N2 v1(37.3,26.87) ; U1.L22 v2(49.2,41.57) ; U2.N2 v1(51.3,26.87)
  L8.Sig w0.165: v2(49.2,41.57) 49.7,41.07 49.7,39.07 49.71,39.01 49.72,38.96 49.75,38.91 49.79,38.87 49.84,38.84 49.89,38.83 49.95,38.82 50.15,38.82 50.21,38.81 50.26,38.8 50.31,38.77 50.35,38.73 50.38,38.68 50.39,38.63 50.4,38.57 50.39,38.51 50.38,38.46 50.35,38.41 50.31,38.37 50.26,38.34 50.21,38.33 50.15,38.32 49.6,38.32 49.58,38.32 49.56,38.31 49.54,38.3 49.52,38.28 49.51,38.26 49.5,38.24 49.5,38.22 49.5,37.92 49.5,37.9 49.51,37.88 49.52,37.86 49.54,37.84 49.56,37.83 49.58,37.82 49.6,37.82 50.15,37.82 50.21,37.81 50.26,37.8 50.31,37.77 50.35,37.73 50.38,37.68 50.39,37.63 50.4,37.57 50.39,37.51 50.38,37.46 50.35,37.41 50.31,37.37 50.26,37.34 50.21,37.33 50.15,37.32 49.95,37.32 49.89,37.31 49.84,37.3 49.79,37.27 49.75,37.23 49.72,37.18 49.71,37.13 49.7,37.07 49.7,36.47 50.1,36.07 50.16,36.08 50.21,36.09 50.26,36.12 50.3,36.16 50.33,36.21 50.34,36.26 50.35,36.32 50.35,36.47 50.36,36.53 50.37,36.58 50.4,36.63 50.44,36.67 50.49,36.7 50.54,36.71 50.6,36.72 50.66,36.71 50.71,36.7 50.76,36.67 50.8,36.63 50.83,36.58 50.84,36.53 50.85,36.47 50.85,36.32 50.86,36.26 50.87,36.21 50.9,36.16 50.94,36.12 50.99,36.09 51.04,36.08 51.1,36.07 51.9,36.07 51.96,36.08 52.01,36.09 52.06,36.12 52.1,36.16 52.13,36.21 52.14,36.26 52.16,36.38 52.17,36.43 52.2,36.48 52.24,36.52 52.29,36.55 52.34,36.56 52.4,36.57 52.46,36.56 52.51,36.55 52.56,36.52 52.6,36.48 52.63,36.43 52.64,36.38 52.66,36.26 52.67,36.21 52.7,36.16 52.74,36.12 52.79,36.09 52.84,36.08 52.9,36.07 52.96,36.08 53.01,36.09 53.06,36.12 53.1,36.16 53.13,36.21 53.14,36.26 53.16,36.38 53.17,36.43 53.2,36.48 53.24,36.52 53.29,36.55 53.34,36.56 53.4,36.57 53.46,36.56 53.51,36.55 53.56,36.52 53.6,36.48 53.63,36.43 53.64,36.38 53.66,36.26 53.67,36.21 53.7,36.16 53.74,36.12 53.79,36.09 53.84,36.08 53.9,36.07 53.96,36.08 54.01,36.09 54.06,36.12 54.1,36.16 54.13,36.21 54.14,36.26 54.16,36.38 54.17,36.43 54.2,36.48 54.24,36.52 54.29,36.55 54.34,36.56 54.4,36.57 54.46,36.56 54.51,36.55 54.56,36.52 54.6,36.48 54.63,36.43 54.64,36.38 54.66,36.26 54.67,36.21 54.7,36.16 54.74,36.12 54.79,36.09 54.84,36.08 54.9,36.07 54.91,36.07 54.92,36.07 54.93,36.08 54.94,36.09 54.95,36.1 54.95,36.11 54.95,36.13 54.95,36.14 54.96,36.15 54.97,36.16 54.98,36.17 54.99,36.17 55,36.17 55.4,36.17 55.41,36.17 55.42,36.17 55.43,36.16 55.44,36.15 55.45,36.14 55.45,36.13 55.45,36.11 55.45,36.1 55.46,36.09 55.47,36.08 55.48,36.07 55.49,36.07 55.5,36.07 55.9,36.07 55.96,36.08 56.01,36.09 56.06,36.12 56.1,36.16 56.13,36.21 56.14,36.26 56.16,36.38 56.17,36.43 56.2,36.48 56.24,36.52 56.29,36.55 56.34,36.56 56.4,36.57 56.46,36.56 56.51,36.55 56.56,36.52 56.6,36.48 56.63,36.43 56.64,36.38 56.66,36.26 56.67,36.21 56.7,36.16 56.74,36.12 56.79,36.09 56.84,36.08 56.9,36.07 56.96,36.08 57.01,36.09 57.06,36.12 57.1,36.16 57.13,36.21 57.14,36.26 57.16,36.38 57.17,36.43 57.2,36.48 57.24,36.52 57.29,36.55 57.34,36.56 57.4,36.57 57.46,36.56 57.51,36.55 57.56,36.52 57.6,36.48 57.63,36.43 57.64,36.38 57.66,36.26 57.67,36.21 57.7,36.16 57.74,36.12 57.79,36.09 57.84,36.08 57.9,36.07 57.96,36.08 58.01,36.09 58.06,36.12 58.1,36.16 58.13,36.21 58.14,36.26 58.16,36.38 58.17,36.43 58.2,36.48 58.24,36.52 58.29,36.55 58.34,36.56 58.4,36.57 58.46,36.56 58.51,36.55 58.56,36.52 58.6,36.48 58.63,36.43 58.64,36.38 58.66,36.26 58.67,36.21 58.7,36.16 58.74,36.12 58.79,36.09 58.84,36.08 58.9,36.07 58.96,36.08 59.01,36.09 59.06,36.12 59.1,36.16 59.13,36.21 59.14,36.26 59.16,36.38 59.17,36.43 59.2,36.48 59.24,36.52 59.29,36.55 59.34,36.56 59.4,36.57 59.46,36.56 59.51,36.55 59.56,36.52 59.6,36.48 59.63,36.43 59.64,36.38 59.65,36.32 59.65,35.82 59.66,35.76 59.67,35.71 59.7,35.66 59.74,35.62 59.79,35.59 59.84,35.58 59.9,35.57 59.96,35.58 60.01,35.59 60.06,35.62 60.1,35.66 60.13,35.71 60.14,35.76 60.16,35.88 60.17,35.93 60.2,35.98 60.24,36.02 60.29,36.05 60.34,36.06 60.4,36.07 60.6,36.07 60.9,35.77 v1(60.9,30.67) ; v1(28.1,25.57) 29,25.57 29.9,26.47 37.3,26.47 ; 37.3,26.47 v1(37.3,26.87) ; 37.3,26.47 51.7,26.47 ; v1(51.3,26.87) 51.3,26.47 51.7,26.47 ; v1(60.9,26.87) 60.5,26.47 59.3,26.47 59.25,26.46 59.2,26.45 59.16,26.42 59.12,26.39 59.1,26.34 59.08,26.3 59.08,26.25 59.08,26.2 59.07,26.15 59.05,26.1 59.03,26.05 58.99,26.02 58.95,25.99 58.9,25.98 58.85,25.97 58.8,25.98 58.75,25.99 58.71,26.02 58.67,26.05 58.65,26.1 58.63,26.15 58.62,26.2 58.62,26.74 58.62,26.79 58.6,26.84 58.58,26.89 58.54,26.92 58.5,26.95 58.45,26.96 58.4,26.97 58.35,26.96 58.3,26.95 58.26,26.92 58.22,26.89 58.2,26.84 58.18,26.79 58.17,26.74 58.17,26.2 58.17,26.15 58.15,26.1 58.13,26.05 58.09,26.02 58.05,25.99 58,25.98 57.95,25.97 57.9,25.98 57.85,25.99 57.81,26.02 57.77,26.05 57.75,26.1 57.73,26.15 57.72,26.2 57.72,26.74 57.72,26.79 57.7,26.84 57.68,26.89 57.64,26.92 57.6,26.95 57.55,26.96 57.5,26.97 57.45,26.96 57.4,26.95 57.36,26.92 57.32,26.89 57.3,26.84 57.28,26.79 57.28,26.74 57.28,26.2 57.27,26.15 57.25,26.1 57.23,26.05 57.19,26.02 57.15,25.99 57.1,25.98 57.05,25.97 57,25.98 56.95,25.99 56.91,26.02 56.87,26.05 56.85,26.1 56.83,26.15 56.83,26.2 56.83,26.74 56.82,26.79 56.8,26.84 56.78,26.89 56.74,26.92 56.7,26.95 56.65,26.96 56.6,26.97 56.55,26.96 56.5,26.95 56.46,26.92 56.42,26.89 56.4,26.84 56.38,26.79 56.38,26.74 56.38,26.42 56.37,26.41 56.37,26.4 56.36,26.39 56.36,26.38 56.35,26.37 56.34,26.37 56.33,26.37 55.97,26.37 55.96,26.37 55.95,26.37 55.94,26.38 55.94,26.39 55.93,26.4 55.93,26.41 55.92,26.42 55.92,26.74 55.92,26.79 55.9,26.84 55.88,26.89 55.84,26.92 55.8,26.95 55.75,26.96 55.7,26.97 55.65,26.96 55.6,26.95 55.56,26.92 55.52,26.89 55.5,26.84 55.48,26.79 55.47,26.74 55.47,26.42 55.47,26.41 55.47,26.4 55.46,26.39 55.46,26.38 55.45,26.37 55.44,26.37 55.42,26.37 55.08,26.37 55.06,26.37 55.05,26.37 55.04,26.38 55.04,26.39 55.03,26.4 55.03,26.41 55.03,26.42 55.03,26.74 55.02,26.79 55,26.84 54.98,26.89 54.94,26.92 54.9,26.95 54.85,26.96 54.8,26.97 54.75,26.96 54.7,26.95 54.66,26.92 54.62,26.89 54.6,26.84 54.58,26.79 54.58,26.74 54.58,26.2 54.57,26.15 54.55,26.1 54.53,26.05 54.49,26.02 54.45,25.99 54.4,25.98 54.35,25.97 54.3,25.98 54.25,25.99 54.21,26.02 54.17,26.05 54.15,26.1 54.13,26.15 54.12,26.2 54.12,26.74 54.12,26.79 54.1,26.84 54.08,26.89 54.04,26.92 54,26.95 53.95,26.96 53.9,26.97 53.85,26.96 53.8,26.95 53.76,26.92 53.72,26.89 53.7,26.84 53.68,26.79 53.67,26.74 53.67,26.2 53.67,26.15 53.65,26.1 53.63,26.05 53.59,26.02 53.55,25.99 53.5,25.98 53.45,25.97 53.4,25.98 53.35,25.99 53.31,26.02 53.27,26.05 53.25,26.1 53.23,26.15 53.22,26.2 53.22,26.25 53.22,26.3 53.2,26.34 53.18,26.39 53.14,26.42 53.1,26.45 53.05,26.46 53,26.47 51.7,26.47
  L10.Sig w0.165: v1(60.9,30.67) v1(60.9,26.87)
  BOT_L12.Sig w0.165: R6.2 v1(28.1,25.57)
